# Allegro board FMDEMOD-57.brd (continued)
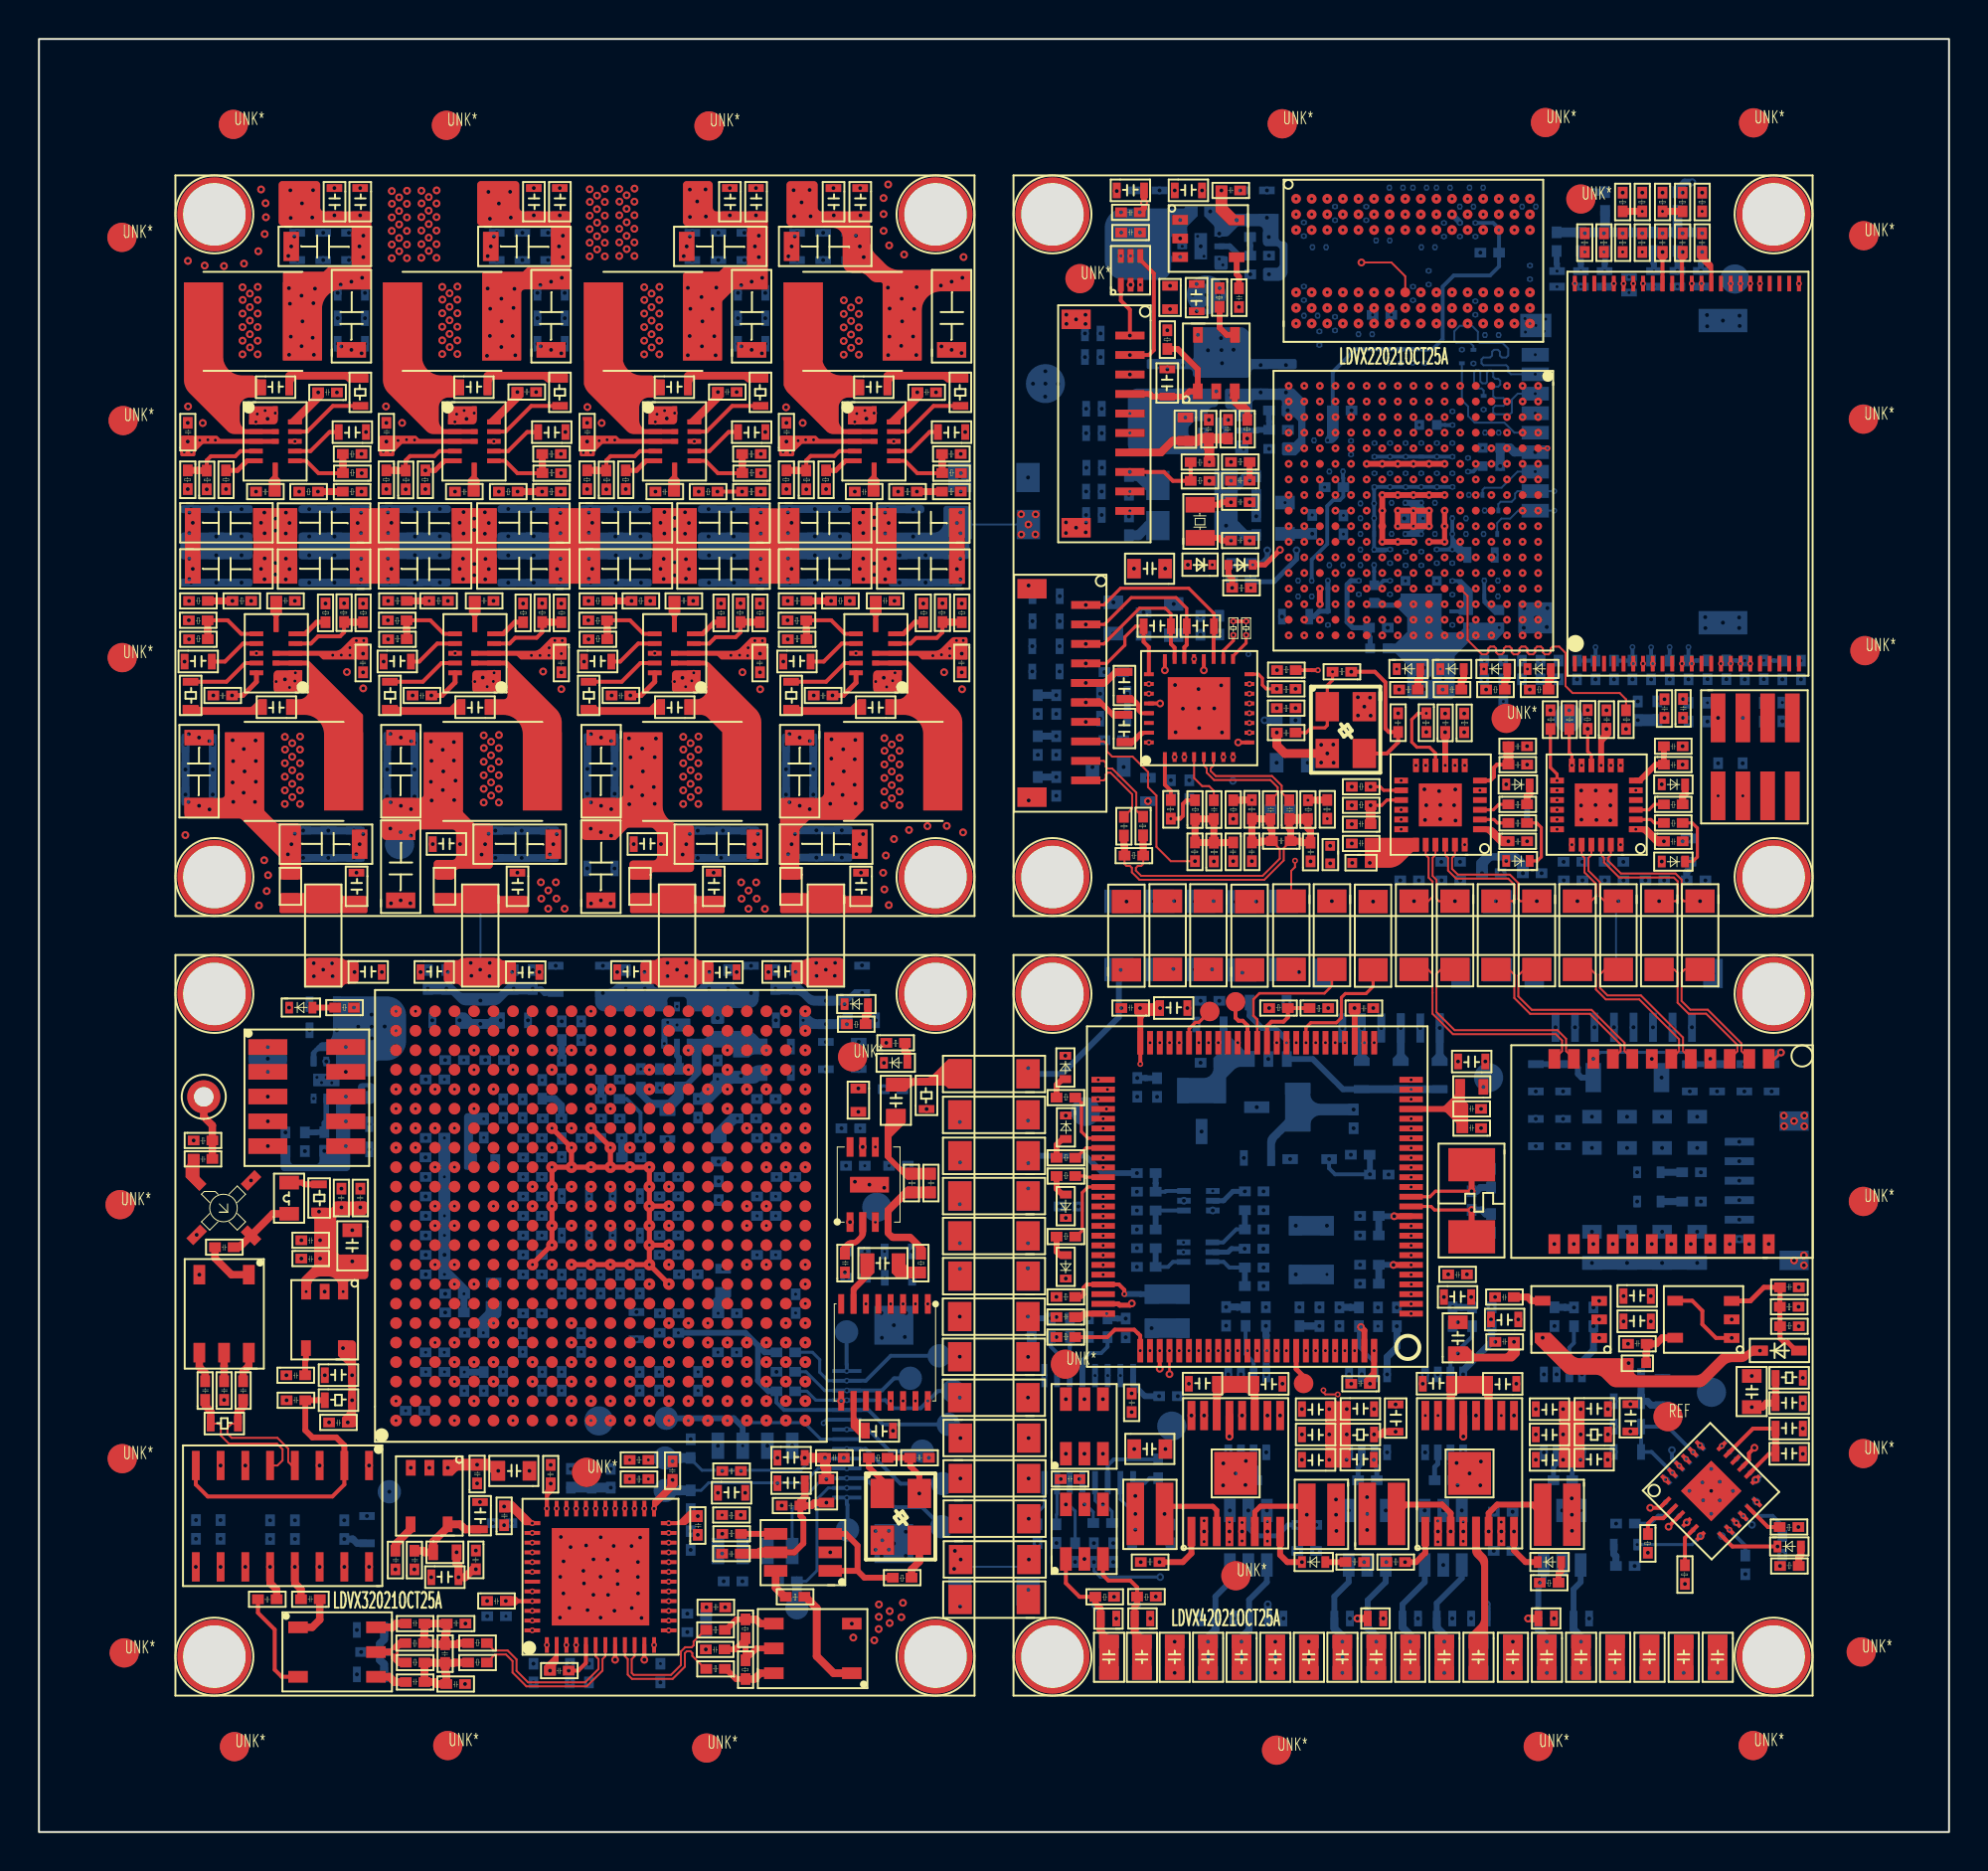
[diagram p0: board, top side]
## Copper pours and planes (outline as drawn; the poured copper is in the pictures) (continued)
12V_MTR on PWR-L6: 78.66,32.82 90.95,32.82 90.95,21.28 90.77,21.11 85.2,21.11 84.69,20.6 84.69,20.12 83.73,19.17 82.99,19.17 81.47,17.65 70.17,17.65 68.51,19.31 68.51,19.42 68.06,19.87 68.06,20.78 68.25,20.97 70.77,20.97 73.61,18.12 80.12,18.12 80.26,18.26 80.26,19.8 80.19,19.86 80.19,23.54 80.56,23.91 81.11,23.91 81.23,23.79 81.23,23.61 84.62,23.61 85.67,24.66 85.67,27.97 85.1,28.54 78.96,28.54 78.27,29.23 78.27,32.43
GND on TOP (solid shape): 67.37,7.82 66.37,7.82 66.37,10.12 67.37,10.12
GND on TOP (solid shape): 79.62,7.82 78.62,7.82 78.62,10.12 79.62,10.12
GND on TOP (solid shape): 8.29,64.06 7.49,64.06 7.49,67.92 8.29,67.92
GND on TOP (solid shape): 47.5,64.05 46.7,64.05 46.7,67.91 47.5,67.91
GND on TOP (solid shape): 18.48,64.05 15.95,64.05 15.95,67.92 18.48,67.92
GND on TOP (solid shape): 28.79,64.05 26.18,64.05 26.18,67.92 28.79,67.92
GND on TOP (solid shape): 39.01,64.05 36.45,64.05 36.45,67.91 39.01,67.91
GND on TOP (solid shape): 12.25,72.43 12.19,72.29 12.05,72.23 10.78,72.23 10.78,72.95 10.84,73.1 10.98,73.15 12.25,73.15
GND on TOP (solid shape): 22.45,72.43 22.4,72.29 22.25,72.23 20.99,72.23 20.99,72.95 21.05,73.1 21.19,73.15 22.45,73.15
GND on TOP (solid shape): 32.74,72.43 32.68,72.29 32.54,72.23 31.27,72.23 31.27,72.95 31.33,73.1 31.48,73.15 32.74,73.15
GND on TOP (solid shape): 42.97,72.43 42.91,72.29 42.77,72.23 41.51,72.23 41.51,72.95 41.57,73.1 41.71,73.15 42.97,73.15
GND on BOTTOM (solid shape): 31.31,10.6 26.31,10.6 26.31,15.6 31.31,15.6
GND on BOTTOM (solid shape): 66.43,28.11 64.13,28.11 64.13,29.11 66.43,29.11
GND on BOTTOM (solid shape): 76.13,7.82 75.13,7.82 75.13,10.12 76.13,10.12
GND on BOTTOM (solid shape): 85.58,28.85 79.18,28.85 79.18,29.55 85.58,29.55
GND on BOTTOM (solid shape): 33.41,41.08 32.44,41.08 32.29,41.02 32.24,40.88 32.24,40.21 31.94,40.21 31.94,41.63 31.97,41.7 32.04,41.73 33.41,41.73
GND on GND-L2: 50.05,44.86 50.05,7.26 90.8,7.26 90.8,44.86
GND on GND-L2: 47.85,44.85 47.85,7.09 7.06,7.09 7.06,44.85
GND on GND-L2, GND-L5: 90.59,47.32 90.59,84.67 50.34,84.67 50.34,64.88 52.94,64.88 54.63,63.2 54.63,62.74 55.63,62.74 55.63,63.21 56.35,63.94 60.44,63.94 60.87,63.51 62.47,63.51 62.88,63.11 62.88,58.27 63.95,58.27 64.17,58.05 64.17,55.69 64.4,55.46 64.4,53.74 64.58,53.57 65.46,53.57 65.62,53.41 65.62,47.32
GND on GND-L2, GND-L5, GND-L9: 7.05,84.46 7.2,84.8 7.54,84.95 47.46,84.95 47.81,84.8 47.95,84.45 47.95,47.55 47.8,47.2 47.45,47.05 7.55,47.05 7.2,47.19 7.05,47.54
GND on GND-L5: 7.06,44.95 47.85,44.95 47.85,7.09 7.06,7.09
GND on GND-L5, GND-L9: 50.15,7.26 90.8,7.26 90.8,44.86 50.15,44.86
GND on GND-L9: 47.85,44.85 47.85,7.09 7.06,7.09 7.06,44.85
GND on GND-L9: 90.59,47.32 90.59,84.67 50.34,84.67 50.34,64.88 52.94,64.88 54.63,63.2 54.63,62.74 55.63,62.74 55.63,63.21 55.63,63.44 56.34,64.15 60.36,64.15 60.99,63.51 62.47,63.51 62.88,63.11 62.88,58.27 63.95,58.27 64.17,58.05 64.17,55.69 64.4,55.46 64.4,53.74 64.58,53.57 65.46,53.57 65.62,53.41 65.62,47.32
GNDA on GND-L2: 52.9,64.14 53.63,63.41 53.63,62.39 54.17,61.85 55.41,61.85 57.48,63.92 59.86,63.92 60.94,62.84 60.94,61.74 61.07,61.61 62.14,61.61 62.59,61.16 62.59,58 63.03,57.55 63.03,57.49 63.13,57.4 63.86,57.4 63.86,54.58 64.34,54.11 64.34,52.64 65.47,51.5 65.47,47.32 50.36,47.32 50.36,64.14
GNDA on GND-L5: 52.9,64.14 53.63,63.41 53.63,62.39 54.17,61.85 56.18,61.85 57.28,62.95 57.28,63.55 60.23,63.55 60.94,62.84 60.94,61.74 61.07,61.61 62.14,61.61 62.59,61.16 62.59,58 63.03,57.55 63.03,57.49 63.13,57.4 63.86,57.4 63.86,55.49 63.95,55.49 64.24,55.2 64.24,53.6 64.52,53.32 65.38,53.32 65.47,53.23 65.47,47.32 50.36,47.32 50.36,64.14
GNDA on GND-L9: 52.9,64.14 53.63,63.41 53.63,62.39 54.17,61.85 55.52,61.85 57.43,63.75 60.03,63.75 60.94,62.84 60.94,61.74 61.07,61.61 62.14,61.61 62.59,61.16 62.59,58 63.03,57.55 63.03,57.49 63.13,57.4 63.86,57.4 63.86,55.49 63.95,55.49 64.24,55.2 64.24,53.6 64.52,53.32 65.38,53.32 65.47,53.23 65.47,47.32 50.36,47.32 50.36,64.14
VBAT_IN on TOP (solid shape): 33.75,64.05 31.49,64.05 31.49,67.92 33.75,67.92
VBAT_IN on TOP (solid shape): 23.48,64.06 21.18,64.06 21.18,67.92 23.48,67.92
VBAT_IN on TOP (solid shape): 13.25,64.06 10.99,64.06 10.99,67.92 13.25,67.92
VBAT_IN on TOP (solid shape): 44,64.05 41.71,64.05 41.71,67.92 44,67.92
VCCA_2V5 on BOTTOM (solid shape): 37.38,38.55 36.98,38.55 36.82,38.44 36.62,38.4 35.68,38.4 35.49,38.36 35.32,38.25 34.53,37.46 34.37,37.35 34.18,37.31 33.57,37.31 33.57,37.91 33.89,37.91 34,38.02 34.57,38.6 34.57,38.93 35.42,38.93 35.5,38.95 35.56,38.99 35.62,39.05 36.42,39.05 36.57,39.2 36.73,39.31 36.93,39.34 37.38,39.34
VCCA_2V5 on PWR-L6: 24.44,27.5 23.94,27 23.94,25.17 23.63,24.86 22.3,24.86 21.99,25.17 21.99,25.87 22.86,26.75 22.86,28.5 22.31,29.05 22.31,35.31 23.73,36.73 25.97,36.73 26.57,37.33 27.26,37.33 27.55,37.04 29.05,37.04 29.82,36.28 33.67,36.28 35.73,38.35 36.48,38.35 36.63,38.5 36.63,39.17 35.82,39.17 35.42,38.78 35.27,38.78 34.87,39.18 34.57,39.18 34.55,39.16 30.7,39.16 30.51,38.96 30.51,39.23 30.44,39.3 29.45,39.3 28.2,38.05 25.66,38.05 25.66,38.05 25.34,38.05 24.65,38.73 22.34,38.73 20.35,36.74 20.35,34.96 20.8,34.51 21.57,34.51 21.66,34.41 21.66,28.62 21.09,28.05 21.09,25.99 21.53,25.55 21.53,24.88 22.08,24.33 23.64,24.33 24.61,25.29 29.13,25.29 29.75,24.67 32.66,24.67 33.4,25.41 33.4,25.69 33.46,25.69 33.72,25.95 33.72,27.2 33.43,27.5 32.65,27.5
VCCINT_1V2 on PWR-L6: 38.85,42.14 41.79,42.14 41.9,42.03 41.9,41.21 41.79,41.1 41.27,41.1 40.99,40.82 40.99,35.51 39.93,34.46 36.58,34.46 35.79,33.67 35.79,28.51 35.79,28.5 35.79,26.03 35.4,25.64 34.15,25.64 34.15,26.87 33.86,27.16 33.86,27.34 33.51,27.69 24.24,27.69 24.24,27.67 23.86,27.28 22.99,27.28 22.99,35.29 24.37,36.67 25.98,36.67 26.5,37.18 27.14,37.18 27.45,36.88 28.96,36.88 29.18,36.66 29.18,36.31 29.62,35.87 33.99,35.87 34.77,36.65 34.77,37.28 34.94,37.46 34.95,37.46 35.13,37.64 35.89,37.64 36.5,37.03 36.5,36.68 35.83,36.01 35.83,35.62 36.29,35.16 38.39,35.16 39.77,36.55 39.77,41.27 39.65,41.4 38.85,41.4 38.82,41.43 38.82,42.11
VCCIO_3V3 on TOP (solid shape): 24.22,17 24.3,16.99 24.36,16.94 25.36,15.95 25.71,15.95 25.71,15.75 24.91,15.75 24.31,16.34 24.25,16.39 24.17,16.4 23.61,16.4 23.61,17
VCCIO_3V3 on TOP (solid shape): 26.51,17.58 26.22,17.29 26.18,17.23 26.16,17.15 26.16,16.2 25.96,16.2 25.96,17.49 25.97,17.53 25.99,17.56 26.01,17.58 26.01,18.18 26.51,18.18
VCCIO_3V3 on TOP (solid shape): 32.76,17.84 32.74,17.77 32.7,17.7 31.72,16.72 31.68,16.66 31.66,16.58 31.66,16.2 31.46,16.2 31.46,16.91 31.48,16.99 31.52,17.06 32.2,17.73 32.24,17.8 32.26,17.88 32.26,18.36 32.76,18.36
VCCIO_3V3 on TOP (solid shape): 34.05,15.91 33.45,15.91 33.37,15.89 33.3,15.85 33.26,15.81 33.2,15.76 33.12,15.75 31.91,15.75 31.91,15.95 32.72,15.95 32.8,15.96 32.86,16.01 33.3,16.45 33.37,16.49 33.45,16.51 34.05,16.51
VCCIO_3V3 on TOP (solid shape): 24.38,12.11 24.46,12.09 24.52,12.05 24.56,12.01 24.63,11.96 24.7,11.95 25.71,11.95 25.71,11.75 24.69,11.75 24.61,11.73 24.55,11.69 24.52,11.66 24.46,11.62 24.38,11.61 23.65,11.61 23.65,12.11
VCCIO_3V3 on BOTTOM (solid shape): 21.11,28.86 22.1,27.87 22.1,27.37 21.5,27.37 21.5,27.88 21.49,27.96 21.45,28.02 21.16,28.3 21.1,28.35 21.02,28.36 20.5,28.36 20.5,35.86 21.11,35.86
VCCIO_3V3 on SIGNAL-L4: 29.84,39.41 29.84,33.74 37.58,33.74 37.92,34.08 37.92,38.96 36.97,39.92 30.35,39.92
VCCIO_3V3 on PWR-L6: outline of 107 points within 17.96,7.11 46.67,42.55
VDD_ARM_CAP on BOTTOM (solid shape): 72.61,66.48 72.63,66.41 72.67,66.34 73.03,65.98 73.1,65.94 73.17,65.92 73.49,65.92 73.49,65.12 73.09,65.12 73.09,65.2 73.08,65.27 73.03,65.34 72.72,65.65 72.66,65.69 72.58,65.71 71.57,65.71 71.57,65.91 72.22,65.91 72.36,65.97 72.42,66.11 72.42,67.55 72.61,67.55
VDD_ARM_CAP on PWR-L6: 72.14,68.11 72.07,68.11 71.88,67.92 71.88,66.45 71.85,66.42 71.06,66.42 70.93,66.3 70.93,65.33 71,65.26 72.51,65.26 72.68,65.09 73.87,65.09 73.97,65.19 73.97,67.79 73.63,68.12 72.14,68.12
VDD_SNVS_3V3 on TOP (solid shape): 60.97,83.42 61.44,82.95 61.85,82.95 61.85,82.45 61.05,82.45 60.37,83.14 60.37,84.48 60.37,84.48 60.97,84.48
VDD_SOC_CAP on BOTTOM (solid shape): 72.67,68.91 68.67,68.91 68.6,68.85 68.6,65.95 68.65,65.91 69.47,65.91 69.47,65.71 69.17,65.71 69.12,65.65 68.4,65.65 68.4,68.83 68.37,68.86 68.37,69.11 72.67,69.11
VDD_SOC_CAP on PWR-L6: 68.22,69.51 72.8,69.51 73.04,69.27 73.04,68.45 72.83,68.24 71.84,68.24 71.64,68.44 69.37,68.44 69.16,68.23 69.16,67.77 69.02,67.63 68.4,67.63 68.06,67.97 68.06,69.35
VDD_SOC_IN on BOTTOM (solid shape): 71.02,68.13 71.04,68.06 71.08,67.99 71.25,67.83 71.29,67.76 71.31,67.69 71.31,67.12 71.29,67.04 71.25,66.98 71.08,66.81 71.04,66.75 71.02,66.67 71.02,66.45 70,66.45 70,66.75 70.23,66.75 70.3,66.77 70.37,66.81 70.65,67.09 70.69,67.16 70.71,67.23 70.71,67.57 70.69,67.64 70.65,67.71 70.36,67.99 70.3,68.04 70.22,68.05 70,68.05 70,68.35 71.02,68.35
VDD_SOC_IN on BOTTOM (solid shape): 64.99,73.46 64.99,71.13 64.49,70.63 63.88,70.63 63.81,70.66 63.78,70.73 63.78,71.21 63.81,71.28 63.88,71.31 64.39,71.31 64.6,71.53 64.6,72.39 64.4,72.6 63.86,72.6 63.77,72.69 63.77,73.41 63.7,73.48 62.35,73.48 62.26,73.38 62.26,72.6 62.05,72.4 61.37,72.4 61.37,72.81 61.31,72.95 61.17,73.01 61.06,73.01 60.92,73.07 60.86,73.21 60.86,73.97 60.89,74.04 60.96,74.07 64.38,74.07
VDD_SOC_IN on PWR-L6: 64.28,74.28 64.52,74.04 64.52,72.42 65.15,72.42 65.55,72.03 65.55,72.03 65.73,71.84 65.73,70.87 66.12,70.48 66.12,69.64 66.85,68.91 66.87,68.91 67.21,68.57 67.21,68.13 67.97,67.38 68.09,67.38 68.25,67.22 69.17,67.22 69.29,67.34 69.29,67.53 69.34,67.58 69.34,68.14 69.45,68.26 71.55,68.26 71.81,68 71.81,66.81 71.59,66.59 67.28,66.59 66.31,67.55 64.05,67.55 63.3,68.31 63.3,71.48 62.92,71.86 60.66,71.86 60.47,72.06 60.47,73.94 60.81,74.28
VDDA_ADC_3P3 on PWR-L6: 68.64,61.63 68.65,61.63 69.03,61.25 69.69,61.25 69.77,61.34 69.77,62.39 69.56,62.61 69.56,64.65 68.89,65.33 67.99,65.33 67.75,65.08 67.75,64.58 68.47,63.85 68.47,61.8
ADC_3V3 on PWR-L6: 23.37,10.41 23.7,10.08 28.96,10.08 28.98,10.09 31.6,10.09 31.8,10.3 31.8,11.56 31.88,11.63 32.94,11.63 32.95,11.62 33.7,12.37 35.36,12.37 36.2,11.53 36.2,7.54 15.73,7.54 15.73,10.97 16.64,11.88 17.37,11.88 17.88,12.4 17.88,16.16 18.45,16.73 23,16.73 23.37,16.36
AUDIO_5V on PWR-L6: 40.75,21.66 40.75,34.34 41.12,34.7 41.12,37.2 41.46,37.55 46.65,37.55 46.65,21.55 46.58,21.47 40.94,21.47
DCDC_3V3 on TOP (solid shape): 83.55,80.77 83.46,80.68 83.42,80.61 83.4,80.54 83.4,79.05 83.2,79.05 83.2,80.54 83.18,80.61 83.14,80.68 83.05,80.77 83.05,81.37 83.55,81.37
DCDC_3V3 on TOP (solid shape): 84.58,80.77 84.46,80.65 84.42,80.58 84.4,80.51 84.4,79.05 84.2,79.05 84.2,80.57 84.18,80.64 84.14,80.71 84.08,80.77 84.08,81.37 84.58,81.37
DCDC_3V3 on TOP (solid shape): 85.58,80.77 85.84,80.51 85.88,80.45 85.9,80.37 85.9,79.05 85.7,79.05 85.7,80.07 85.68,80.15 85.64,80.21 85.08,80.77 85.08,81.37 85.58,81.37
DCDC_3V3 on BOTTOM (solid shape): 71.97,61.72 72.14,61.55 72.87,61.55 73.07,61.75 73.07,62.05 75.17,62.05 75.17,61.55 74.77,61.14 73.45,61.14 72.64,60.33 72.64,58.33 72.58,58.18 72.44,58.12 70.4,58.12 70.25,58.18 70.2,58.33 70.2,59.88 69.6,60.48 68.95,60.48 68.95,60.98 69.6,60.98 70.2,61.58 70.2,62.31 69.68,62.82 68.25,62.82 68.25,63.32 68.75,63.32 68.99,63.08 69.58,63.08 69.86,63.36 69.86,63.55 71.97,63.55
DCDC_3V3 on PWR-L6: 65.34,50.14 65.44,50.24 66.43,50.24 66.5,50.3 66.5,50.82 66.33,50.99 65.62,50.99 65.34,51.26 65.34,53.64 69.45,57.75 74.41,57.75 74.45,57.71 76.2,57.71 77.17,58.67 80.28,58.67 81.46,57.49 81.46,56.51 81.64,56.33 84.81,56.33 86.28,54.85 86.28,51.42 86.35,51.35 90.42,51.35 90.42,80.39 90.05,80.76 87.88,80.76 86.79,81.85 86.79,84 86.36,84.42 78.11,84.42 77.63,83.94 77.63,76.97 73.84,73.18 70.94,73.18 70.22,72.47 70.22,71.51 70.43,71.31 72.89,71.31 73.04,71.16 73.04,69.48 74.68,67.84 74.68,64.37 74.01,63.7 69.86,63.7 69.71,63.55 69.71,62.79 69.95,62.55 69.95,61.26 69.87,61.18 68.19,61.18 66.76,62.6 66.76,63.5 64.94,65.32 63.44,65.32 63.07,65.68 63.07,70.83 62.53,71.36 61,71.36 60.55,70.91 60.55,66.02 59.5,64.97 59.5,63.51 61.08,61.92 61.08,57.96 61.99,57.05 62.86,57.05 62.86,54.81 62.84,54.79 62.84,53.24 62.94,53.14 58.12,53.14 57.87,53.39 55.24,53.39 53.83,51.97 53.83,50.64 54.31,50.16 54.31,47.7 54.46,47.55 65.34,47.55
DCDC_3V3_PWR on TOP (solid shape): 24.45,84.71 24.59,84.65 24.65,84.51 24.65,83.35 24.7,83.21 24.85,83.15 27.18,83.15 27.25,83.12 27.28,83.05 27.28,79.25 27.25,79.18 27.18,79.15 24.93,79.15 24.79,79.09 24.73,78.95 24.73,75.51 22.73,75.51 22.73,79.96 22.76,80.03 22.84,80.06 24.79,80.06 24.83,80.07 24.87,80.09 25.04,80.27 25.07,80.29 25.11,80.3 26.17,80.3 26.24,80.33 26.27,80.4 26.27,82.32 26.24,82.39 26.17,82.42 22.68,82.42 22.54,82.47 22.48,82.62 22.48,84.51 22.54,84.65 22.68,84.71
DCDC_5V on PWR-L6: 50.05,84.95 58.38,84.95 59.53,83.8 59.53,82.25 59.9,81.87 59.9,80.1 60.33,79.68 61.11,79.68 61.98,78.82 61.98,75.92 59.37,73.31 59.37,66.49 58.36,65.49 58.36,63.2 58.36,63.2 58.36,62.14 58.21,61.98 56.12,61.98 55.84,61.7 55.84,60.98 54.98,60.12 51.25,60.12 50.05,61.32
DRAM_1V35 on BOTTOM (solid shape): 60.71,83.09 60.77,83.05 60.85,83.03 63.6,83.03 63.6,81.81 63.66,81.67 63.8,81.61 63.87,81.61 64.01,81.55 64.07,81.41 64.07,80.08 63.92,79.73 63.57,79.58 62.91,79.58 62.84,79.61 62.81,79.69 62.81,80.16 62.84,80.23 62.91,80.26 63.46,80.26 63.6,80.32 63.66,80.46 63.66,81.16 63.6,81.3 63.46,81.36 63,81.36 62.86,81.42 62.8,81.56 62.8,82.19 62.74,82.33 62.6,82.39 61.6,82.39 61.53,82.38 61.46,82.33 61.05,81.92 60.99,81.88 60.91,81.86 60.31,81.86 60.31,82.3 60.29,82.38 60.25,82.44 59.79,82.9 59.79,83.4 60.39,83.4
DRAM_1V35 on PWR-L6: 76.93,84.42 76.93,77.51 74.17,74.76 74.14,74.76 72.71,73.32 70.91,73.32 70.6,73.02 69.87,73.02 69.87,71.6 69.74,71.48 69.74,71.43 70.02,71.16 72.74,71.16 72.86,71.03 72.86,70.21 72.64,70 67.91,70 67.86,70.04 67.86,71.44 64.52,74.78 63.03,74.78 62.64,75.18 62.64,78.34 61.19,79.78 60.48,79.78 60.17,80.09 60.17,82.11 59.78,82.5 59.78,84.42
DRAM_1V35_IN on BOTTOM (solid shape): 59.43,82.9 58.97,82.43 58.92,82.37 58.91,82.29 58.91,81.86 58.13,81.86 58.1,81.85 58.08,81.81 58.08,80.91 58.1,80.88 58.13,80.86 58.91,80.86 58.91,80.56 58.13,80.56 58.1,80.55 58.08,80.51 58.08,80.24 57.91,79.82 57.48,79.64 55.68,79.64 54.97,79.93 54.68,80.64 54.68,82.31 54.97,83.02 55.68,83.31 58.74,83.31 58.83,83.4 59.43,83.4
DRAM_1V35_PWR on TOP (solid shape): 39.75,84.71 39.89,84.65 39.95,84.51 39.95,83.35 40.01,83.21 40.15,83.15 42.62,83.15 42.64,83.15 42.64,83.13 42.64,81.64 42.72,81.26 42.94,80.94 43.43,80.44 43.76,80.23 44.14,80.15 47.74,80.15 47.81,80.12 47.84,80.05 47.84,79.15 47.81,79.08 47.74,79.05 46.29,79.05 45.58,78.76 45.29,78.05 45.29,75.51 43.29,75.51 43.29,79.41 43.26,79.48 43.19,79.51 43.02,79.51 42.83,79.55 42.66,79.66 42.47,79.86 42.3,79.96 42.11,80 41.73,80 41.38,80.15 41.23,80.5 41.23,81.81 41.09,82.17 40.73,82.31 40.32,82.31 40.25,82.34 40.22,82.42 38.55,82.42 38.41,82.47 38.35,82.62 38.35,84.51 38.41,84.65 38.55,84.71
DRAM_VREF on BOTTOM (solid shape): 66.68,71.62 66.67,71.54 66.62,71.47 66.47,71.32 66.4,71.27 66.33,71.26 66.02,71.26 66.02,71.56 66.02,71.56 66.07,71.63 66.08,71.7 66.08,73.19 66.68,73.19
ENC1_A on BOTTOM (solid shape): 67.38,7.81 66.38,7.81 66.38,10.11 67.38,10.11
ENC1_B on BOTTOM (solid shape): 69.12,7.82 68.12,7.82 68.12,10.12 69.12,10.12
ENC2_A on BOTTOM (solid shape): 60.49,7.82 59.49,7.82 59.49,10.12 60.49,10.12
ENC2_B on BOTTOM (solid shape): 62.21,7.82 61.21,7.82 61.21,10.12 62.21,10.12
ENC3_A on BOTTOM (solid shape): 77.88,7.82 76.88,7.82 76.88,10.12 77.88,10.12
ENC3_B on BOTTOM (solid shape): 79.63,7.82 78.63,7.82 78.63,10.12 79.63,10.12
ENC4_A on BOTTOM (solid shape): 70.86,7.82 69.86,7.82 69.86,10.12 70.86,10.12
ENC4_B on BOTTOM (solid shape): 72.61,7.82 71.61,7.82 71.61,10.12 72.61,10.12
HP_L on TOP (solid shape): 57.2,56.31 56.78,56.31 56.7,56.29 56.64,56.25 56.12,55.73 56.1,55.72 55.3,55.72 55.3,56.12 56.02,56.12 56.09,56.14 56.16,56.18 56.43,56.45 56.49,56.49 56.57,56.51 57.2,56.51
HP_R on TOP (solid shape): 56.44,57.99 56.48,57.92 56.5,57.85 56.5,57.67 56.51,57.59 56.56,57.53 56.58,57.51 57.2,57.51 57.2,57.31 56.58,57.31 56.51,57.32 56.44,57.36 56.36,57.45 56.31,57.51 56.3,57.59 56.3,57.68 56.28,57.76 56.24,57.83 56.2,57.87 56.13,57.91 56.06,57.93 55.3,57.93 55.3,58.33 56.1,58.33
M1_DRV+ on TOP (solid shape): 60.48,7.82 59.48,7.82 59.48,10.12 60.48,10.12
M1_DRV- on TOP (solid shape): 62.2,7.82 61.2,7.82 61.2,10.12 62.2,10.12
M2_DRV+ on TOP (solid shape): 65.65,7.82 64.65,7.82 64.65,10.12 65.65,10.12
M2_DRV- on TOP (solid shape): 63.93,7.82 62.93,7.82 62.93,10.12 63.93,10.12
M3_DRV+ on TOP (solid shape): 70.85,7.82 69.85,7.82 69.85,10.12 70.85,10.12
M3_DRV- on TOP (solid shape): 72.6,7.82 71.6,7.82 71.6,10.12 72.6,10.12
M4_DRV+ on TOP (solid shape): 76.12,7.82 75.12,7.82 75.12,10.12 76.12,10.12
M4_DRV- on TOP (solid shape): 73.93,14.71 73.97,14.52 74.08,14.35 74.21,14.22 74.31,14.06 74.35,13.87 74.35,7.82 73.35,7.82 73.35,10.12 73.85,10.61 73.96,10.77 73.99,10.96 73.99,13.59 73.96,13.78 73.85,13.94 73.68,14.11 73.57,14.28 73.53,14.47 73.53,16.17 73.93,16.17
NVCC_CSI on PWR-L6: 72.61,72.7 71.54,72.7 71.38,72.54 71.38,71.84 71.68,71.54 73.09,71.54 73.22,71.67 73.22,72.1
NVCC_ENET on BOTTOM (solid shape): 73.57,63.72 73.57,62.45 72.88,62.45 72.8,62.53 72.37,62.53 72.37,62.73 72.85,62.73 73.07,62.95 73.07,63.78 72.76,64.09 72.37,64.09 72.37,64.29 73,64.29